# Altium PCB PCB.PcbDoc (part 1 of 3)
Units mm, origin at the board's own origin, x right, y up, seen from the top; angles counter-clockwise.
Board outline 245 x 130 mm, 2 copper layers (Top Layer, Bottom Layer), stack 2.071 mm thick; 280 components, 247 nets, 1185 pads, 381 vias.
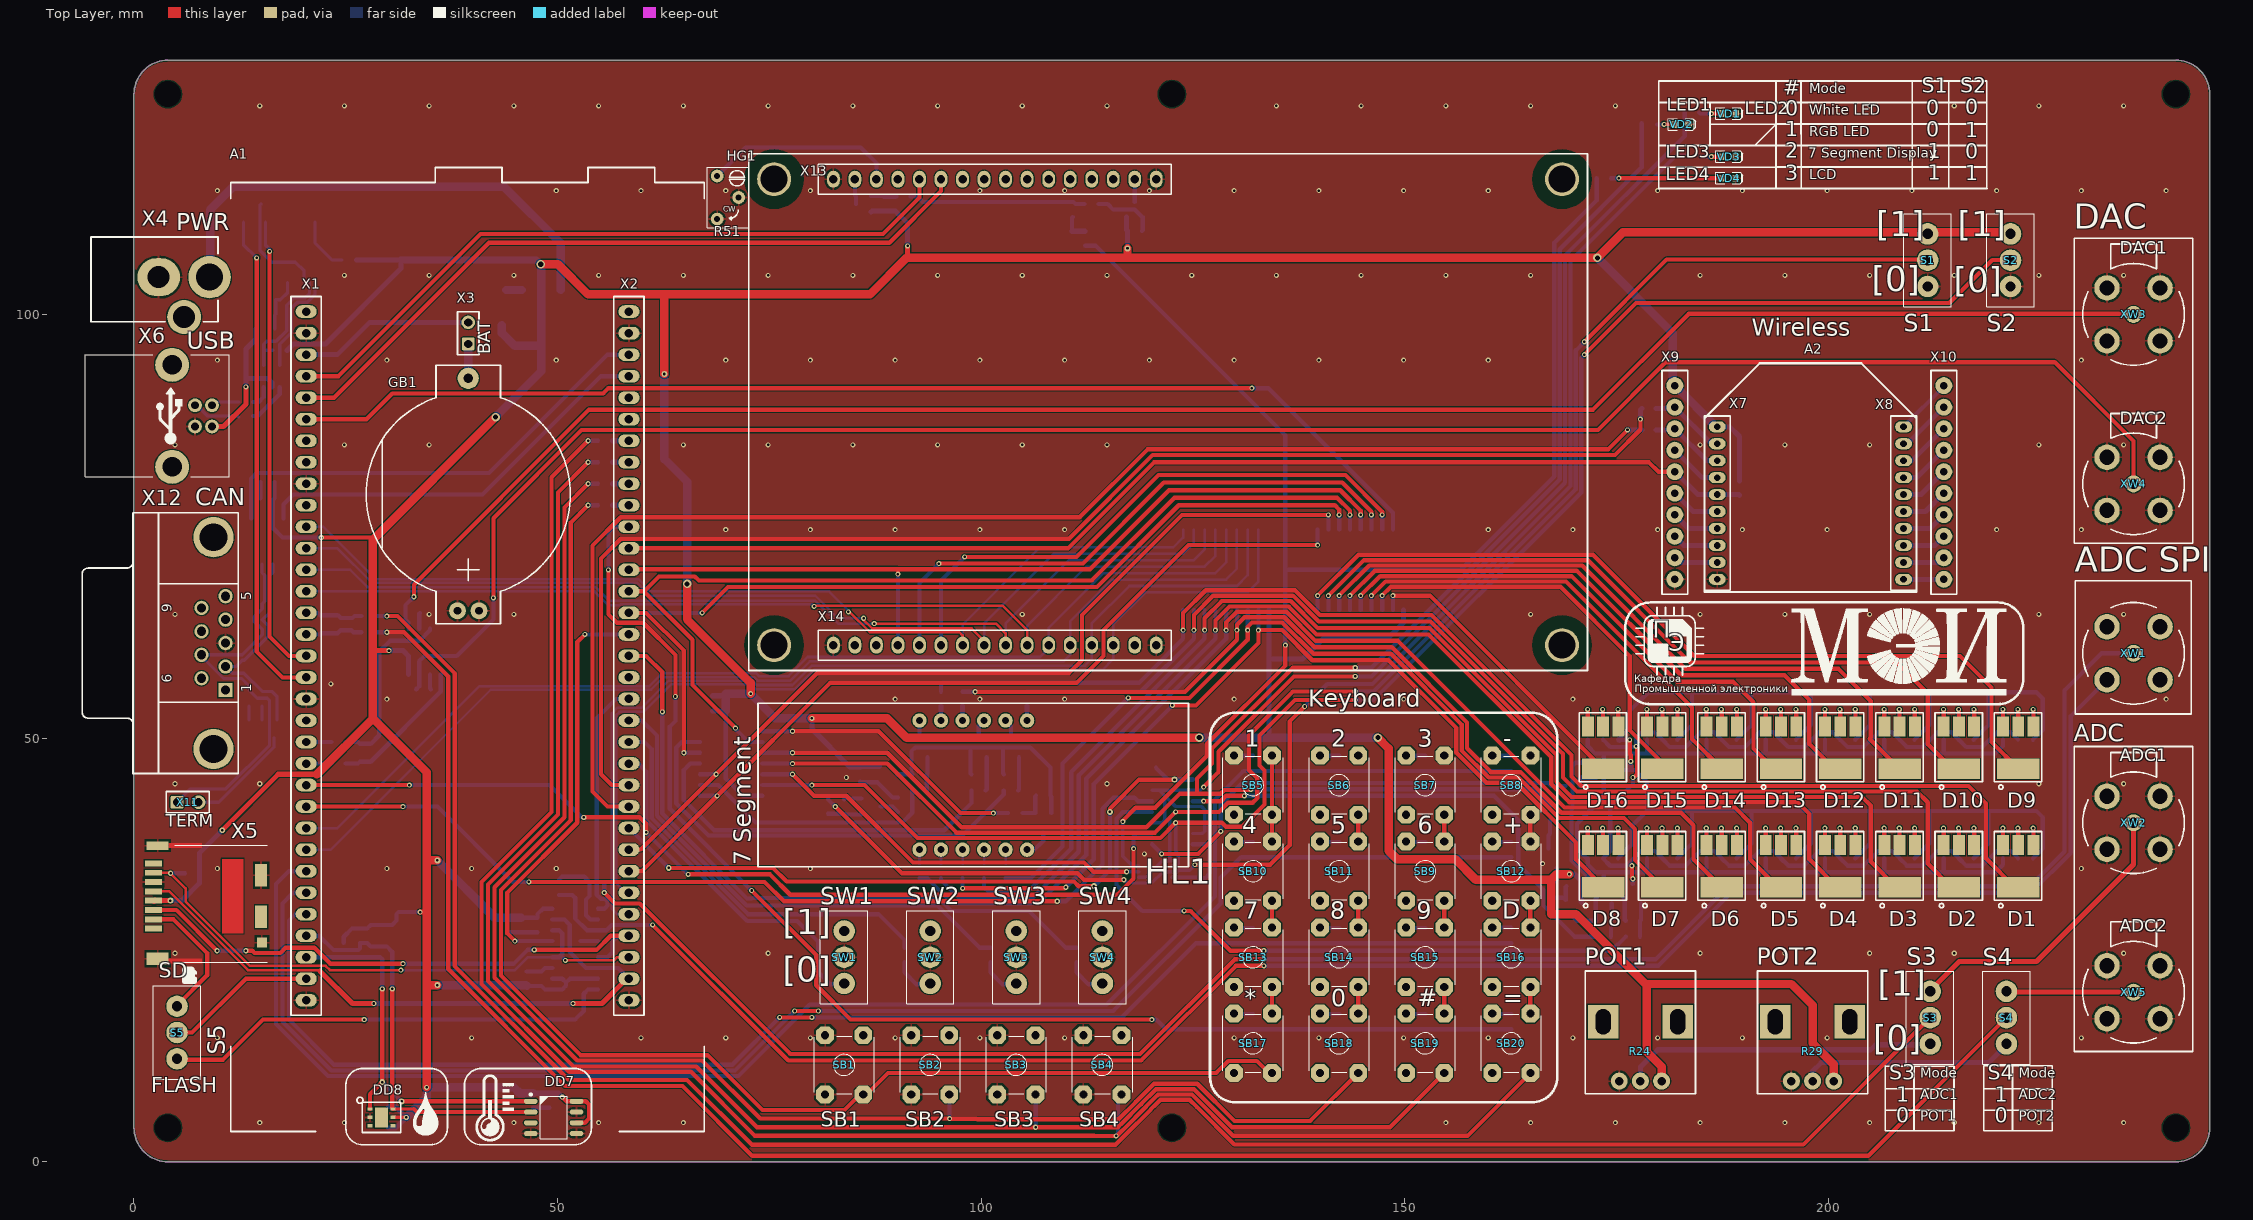
[diagram p0: Top Layer view]
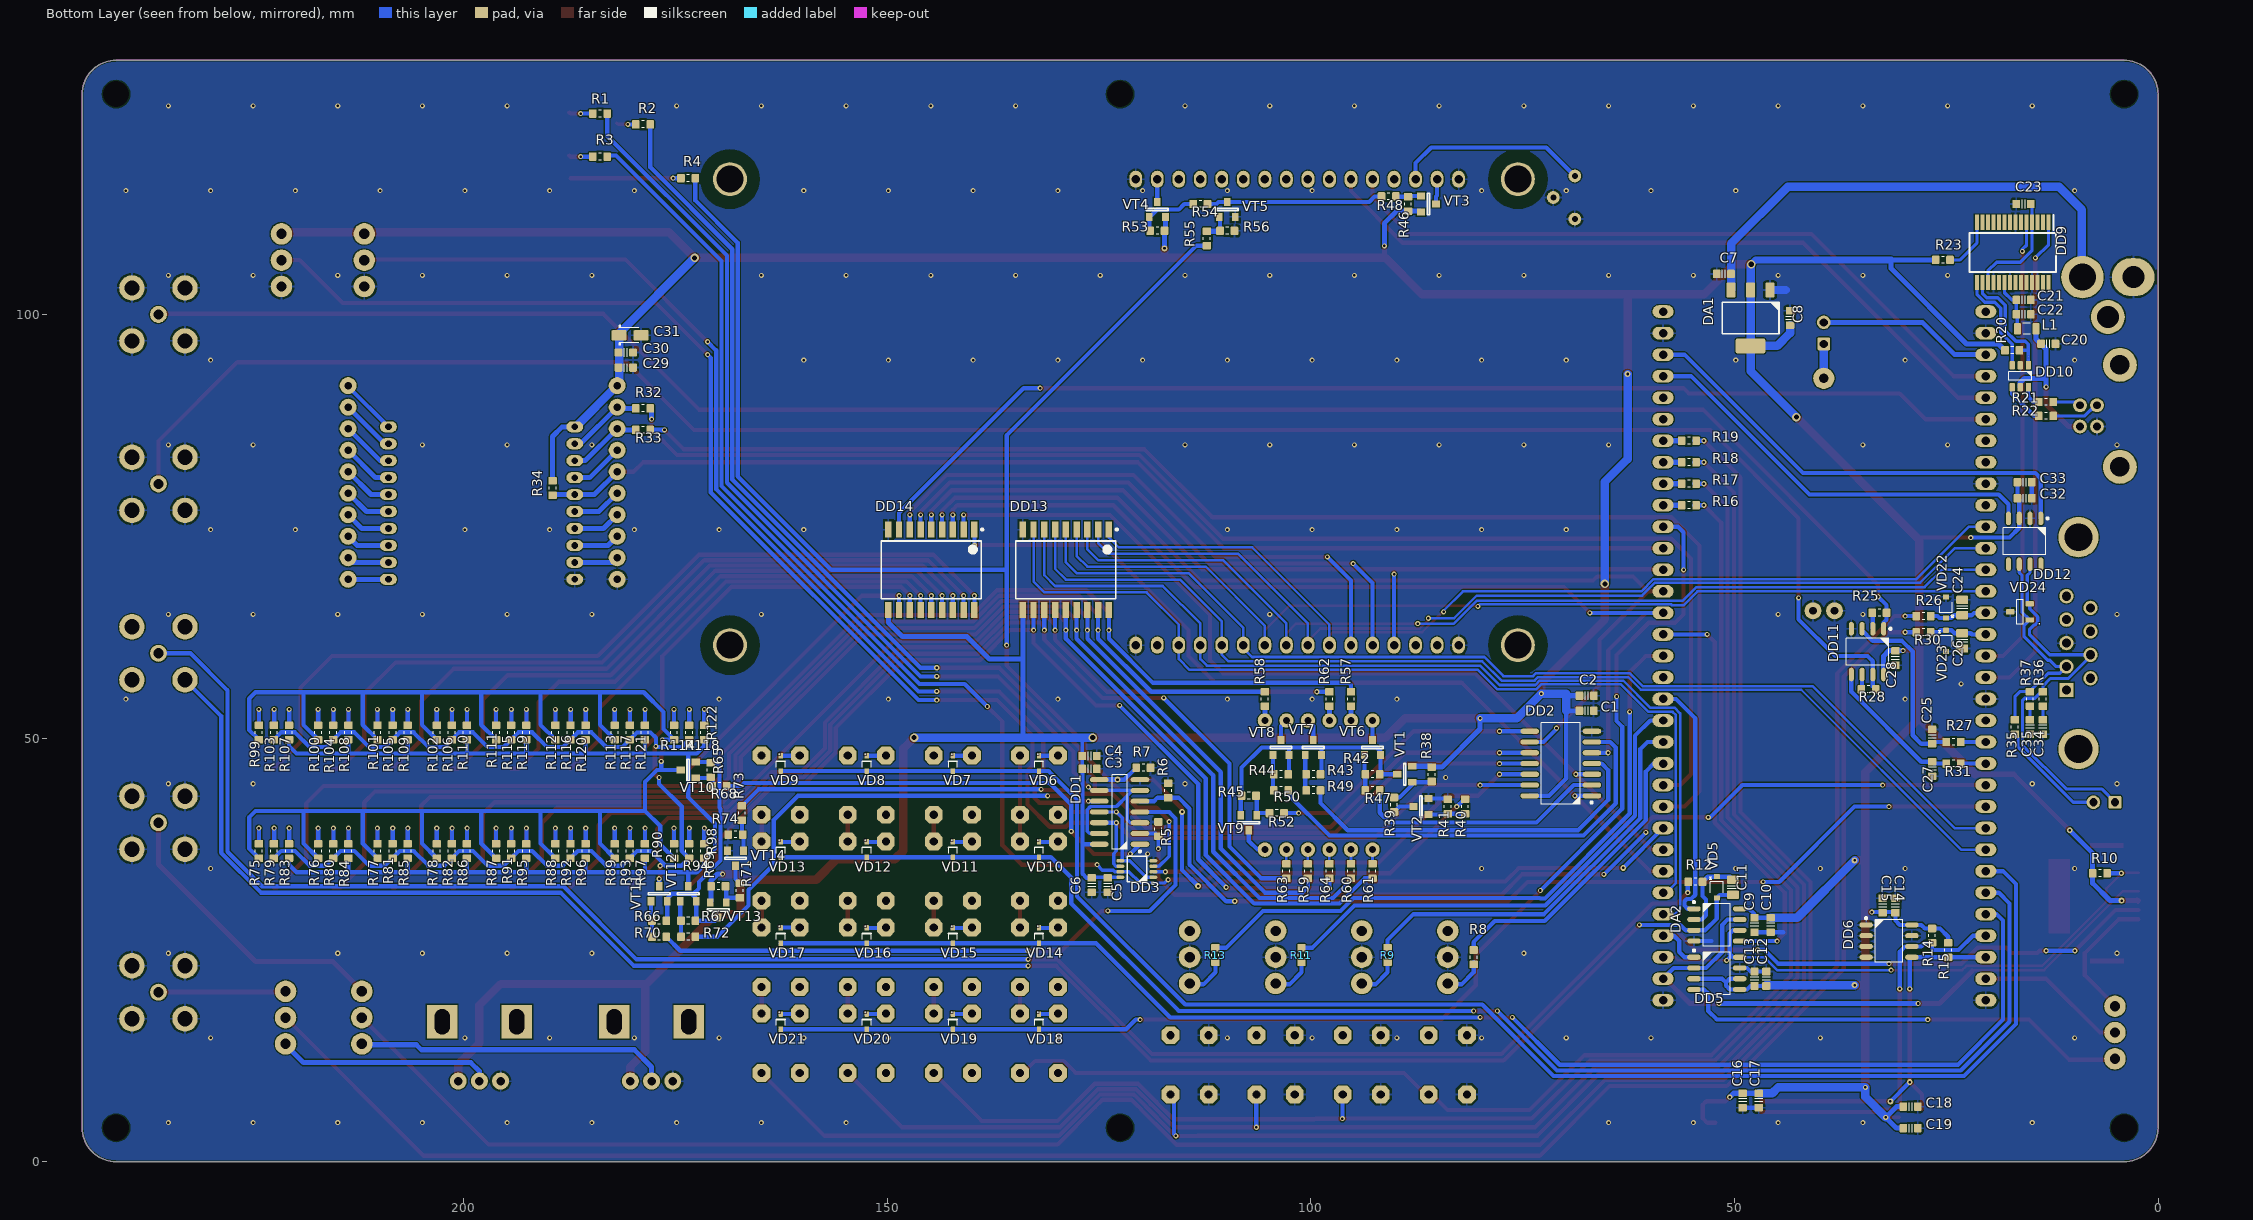
[diagram p1: Bottom Layer view, seen from below]

## Layer stack, top to bottom
Top Solder: solder mask 0.0102, Solder Resist, Dk 3.5
Top Layer: signal copper 0.0356
Dielectric 1: dielectric 2, FR-4, Dk 4.8
Bottom Layer: signal copper 0.0356
Bottom Solder: solder mask 0.0102, Solder Resist, Dk 3.5

## Board outline
0,4 0,126 cw(c4,126) 4,130 241,130 cw(c241,126) 245,126 245,4 cw(c241,4) 241,0 4,0 cw(c4,4)

## Design rules (kind name [scope] priority, off if disabled: settings)
Clearance Clearance_PAD [InPadClass('Pad_mount')] p1: gap=1.5 ignorepadtopadclearanceinfootprint=FALSE
Clearance [All] p2: gap=0.125 ignorepadtopadclearanceinfootprint=FALSE except(0: Arc-Hole Track-Hole SMDPad-Hole THPad-Hole Via-Hole Fill-Hole Poly-Hole Region-Hole Text-Hole)
ComponentClearance Ignore [(ObjectKind = 'Component') And  ((Footprint = 'PBS2-10') Or (Comment = 'PBS-40') Or (Footprint = 'PBS16')) vs (ObjectKind = 'Component') And ((Footprint = 'STM32F072B-DISCO') Or (Footprint = 'XBEE STANDARD') Or (Footprint = 'MT-20S4A'))] p1: gap=0 collisioncheckmode=3 verticalgap=0 showdistances=FALSE
ComponentClearance Clearance_RGB_1mm [Footprint = 'SOP6LED'] p2: gap=1 collisioncheckmode=3 verticalgap=0 showdistances=FALSE
ComponentClearance [All] p3: gap=0.254 collisioncheckmode=3 verticalgap=0.254 showdistances=FALSE
DiffPairsRouting [All] p1: maxlimit=0.254 minlimit=0.254 mostfreqgap=0.254 toplayer_minwidth=0.381 toplayer_maxwidth=0.381 toplayer_prefwidth=0.381 bottomlayer_minwidth=0.381 bottomlayer_maxwidth=0.381 bottomlayer_prefwidth=0.381 maxuncoupledlength=50
Height [All] p1: minheight=0 maxheight=50 prefheight=12.7
HoleSize Mounting [InPadClass('Pad_mount')] p1: absolutevalues=TRUE maxlimit=5 minlimit=0.1 maxpercent=80.000 minpercent=20.000
HoleSize HoleSize_1 [All] p2: absolutevalues=TRUE maxlimit=6 minlimit=0.025 maxpercent=80.000 minpercent=20.000
MatchedLengths CAN [InDifferentialPair('CAN')] p1: tolerance=2 checknetsindiffpair=TRUE checkdiffpairvsdiffpair=FALSE checkxsignals=FALSE checkothers=FALSE
MinimumSolderMaskSliver [All] p1: minsoldermaskwidth=0.15
PlaneClearance [All] p1: clearance=0.1
PolygonConnect [All] p1: thpad.connectstyle=Relief thpad.reliefconductorwidth=0.254 thpad.reliefentries=4 thpad.polygonreliefangle="90 Angle" thpad.airgapwidth=0.25 smdpad.connectstyle=Relief smdpad.reliefconductorwidth=0.254 smdpad.reliefentries=4 smdpad.polygonreliefangle="90 Angle" smdpad.airgapwidth=0.25 via.connectstyle=Direct via.reliefconductorwidth=0.254 via.reliefentries=4 via.polygonreliefangle="90 Angle" via.airgapwidth=0.25
RoutingVias [All] p1: holewidth=0.3 width=0.7 viastyle="Through Hole" minholewidth=0.3 minwidth=0.6 maxholewidth=0.6 maxwidth=1.2
SilkToSolderMaskClearance [IsPad] p1: minsilkscreentomaskgap=0.15 clearancetoexposedcopper=TRUE
SolderMaskExpansion [All] p1: expansion=0.102 istentingtop=FALSE
Width Width_PWR_1mm [InNetClass('POWER')] p1: maxlimit=10 minlimit=0.3 preferedwidth=1 minimp=50.000000 maximp=50.000000 favimp=50.000000
Width Width_1 [All] p2: maxlimit=0.6 minlimit=0.254 preferedwidth=0.254 minimp=50.000000 maximp=50.000000 favimp=50.000000
23 further rules are at their usual default settings.

## Classes and differential pairs
pad class Pad_mount: HG1-PADM X8-10 X8-11
component class Microcontroller: A1 C1 C2 C3 C4 C5 C6 C7 C8 DA1 DD1 DD3 GB1 R1 R2 R3 R4 R5 R6 R7 S1 S2 VD1 VD2 VD3 VD4 X1 X2 X3 X4
component class Communication: A2 C20 C21 C22 C23 C24 C25 C26 C27 C28 C29 C30 C31 C32 C33 C34 C35 DD9 DD10 DD11 DD12 L1 R20 R21 R22 R23 R24 R25 R26 R27 R28 R29 R30 R31 R32 R33 R34 R35 R36 R37 S3 S4 VD22 VD23 VD24 X6 X7 X8 X9 X10 X11 X12 XW2 XW3 XW4 XW5
component class LEDs: D1 D2 D3 D4 D5 D6 D7 D8 D9 D10 D11 D12 D13 D14 D15 D16 DD13 DD14 R65 R66 R67 R68 R69 R70 R71 R72 R73 R74 R75 R76 R77 R78 R79 R80 R81 R82 R83 R84 R85 R86 R87 R88 R89 R90 R91 R92 R93 R94 R95 R96 R97 R98 R99 R100 R101 R102 R103 R104 R105 R106 R107 R108 R109 R110 R111 R112 R113 R114 R115 R116 R117 R118 R119 R120 R121 R122 VT10 VT11 VT12 VT13 VT14
component class Peripherals: C9 C10 C11 C12 C13 C14 C15 C16 C17 C18 C19 DA2 DD5 DD6 DD7 DD8 R8 R9 R10 R11 R12 R13 R14 R15 R16 R17 R18 R19 S5 SB1 SB2 SB3 SB4 SB5 SB6 SB7 SB8 SB9 SB10 SB11 SB12 SB13 SB14 SB15 SB16 SB17 SB18 SB19 SB20 SW1 SW2 SW3 SW4 VD5 VD6 VD7 VD8 VD9 VD10 VD11 VD12 VD13 VD14 VD15 VD16 VD17 VD18 VD19 VD20 VD21 X5 XW1
component class Displays: DD2 HG1 HL1 R38 R39 R40 R41 R42 R43 R44 R45 R46 R47 R48 R49 R50 R51 R52 R53 R54 R55 R56 R57 R58 R59 R60 R61 R62 R63 R64 VT1 VT2 VT3 VT4 VT5 VT6 VT7 VT8 VT9 X13 X14
net class POWER: +3.3V +5V AVCC GND NetGB1_VCC
differential pair CAN: +CAN_P -CAN_N

## Components (designator, comment, footprint, x,y, rotation, side; value= is the part's Value field where it differs from the comment)
A1 "STM32F072B-Disco" STM32F072B-DISCO 39.37,59.69 r0 top
A2 "" "XBEE STANDARD" 197.866,78.232 r0 top locked
C1 "approved sub OK" CAPC1608X90N 67.437,53.213 r180 bottom value=100n
C2 "approved sub OK" CAPC1608X90N 67.437,54.991 r180 bottom value=10µ
C3 "approved sub OK" CAPC1608X90N 126.111,46.355 r180 bottom value=100n
C4 "approved sub OK" CAPC1608X90N 126.111,47.879 r180 bottom value=10µ
C5 "approved sub OK" CAPC1608X90N 123.952,32.639 r270 bottom value=100n
C6 "approved sub OK" CAPC1608X90N 125.857,32.639 r270 bottom value=10µ
C7 "approved sub OK" CAPC1608X90N 51.243,104.775 r0 bottom value=1µ
C8 "approved sub OK" CAPC1608X90N 43.434,99.568 r90 bottom value=1µ
C9 "approved sub OK" CAPC1608X90N 47.625,27.94 r270 bottom value=100n
C10 "approved sub OK" CAPC1608X90N 45.72,27.94 r270 bottom value=10µ
C11 "approved sub OK" CAPC2012X135N 50.165,32.385 r270 bottom value=330n
C12 "approved sub OK" CAPC1608X90N 46.228,21.59 r90 bottom value=100n
C13 "approved sub OK" CAPC1608X90N 47.625,21.59 r90 bottom value=10µ
C14 "approved sub OK" CAPC1608X90N 30.988,30.226 r90 bottom value=100n
C15 "approved sub OK" CAPC1608X90N 32.512,30.226 r90 bottom value=10µ
C16 "approved sub OK" CAPC1608X90N 49.03,7.22 r270 bottom value=100n
C17 "approved sub OK" CAPC1608X90N 47.125,7.22 r270 bottom value=10µ
C18 "approved sub OK" CAPC1608X90N 29.21,6.49 r180 bottom value=100n
C19 "approved sub OK" CAPC1608X90N 29.21,3.95 r180 bottom value=10µ
C20 "approved sub OK" CAPC1608X90N 12.954,96.52 r180 bottom value=10n
C21 "approved sub OK" CAPC1608X90N 15.862,101.706 r180 bottom value=100n
C22 "approved sub OK" CAPC1608X90N 15.862,100.006 r180 bottom value=4µ7
C23 "approved sub OK" CAPC1608X90N 15.875,113.03 r0 bottom value=100n
C24 "approved sub OK" CAPC2012X135N 23.114,65.405 r90 bottom value=330n
C25 "approved sub OK" CAPC1608X90N 26.67,50.165 r90 bottom value=1µ
C26 "approved sub OK" CAPC2012X135N 23.114,61.468 r270 bottom value=330n
C27 "approved sub OK" CAPC1608X90N 26.67,46.355 r270 bottom value=1µ
C28 "approved sub OK" CAPC1608X90N 30.988,59.436 r270 bottom value=100n
C29 "approved sub OK" CAPC1608X90N 180.848,93.726 r180 bottom value=100n
C30 "approved sub OK" CAPC1608X90N 180.848,95.504 r180 bottom value=10µ
C31 "22µ" CAPMP3216X180N 180.34,97.536 r180 bottom
C32 "approved sub OK" CAPC1608X90N 15.74,78.301 r0 bottom value=100n
C33 "approved sub OK" CAPC1608X90N 15.74,80.206 r0 bottom value=10µ
C34 "approved sub OK" CAPC1608X90N 13.589,51.308 r270 bottom value=560p
C35 "approved sub OK" CAPC1608X90N 15.113,51.308 r270 bottom value=560p
D1 "FYLS-5050RGBC" SOP6LED 222.37,34.91 r90 top
D2 "FYLS-5050RGBC" SOP6LED 215.37,34.91 r90 top
D3 "FYLS-5050RGBC" SOP6LED 208.37,34.91 r90 top
D4 "FYLS-5050RGBC" SOP6LED 201.37,34.91 r90 top
D5 "FYLS-5050RGBC" SOP6LED 194.37,34.91 r90 top
D6 "FYLS-5050RGBC" SOP6LED 187.37,34.91 r90 top
D7 "FYLS-5050RGBC" SOP6LED 180.37,34.91 r90 top
D8 "FYLS-5050RGBC" SOP6LED 173.37,34.91 r90 top
D9 "FYLS-5050RGBC" SOP6LED 222.37,48.91 r90 top
D10 "FYLS-5050RGBC" SOP6LED 215.37,48.91 r90 top
D11 "FYLS-5050RGBC" SOP6LED 208.37,48.91 r90 top
D12 "FYLS-5050RGBC" SOP6LED 201.37,48.91 r90 top
D13 "FYLS-5050RGBC" SOP6LED 194.37,48.91 r90 top
D14 "FYLS-5050RGBC" SOP6LED 187.37,48.91 r90 top
D15 "FYLS-5050RGBC" SOP6LED 180.37,48.91 r90 top
D16 "FYLS-5050RGBC" SOP6LED 173.37,48.91 r90 top
DA1 "ADP3339AKCZ-3.3-RL7" SOT223 48.093,99.581 r270 bottom
DA2 "MCP3201-BI/SN" SOIC127P600X175-8AN 52.07,27.94 r180 bottom
DD1 "74LV02D.112" SOIC127P600X175-14AN 122.555,41.275 r0 bottom
DD2 "SN74AHCU04DR" SOIC127P780X200-14N 70.485,46.99 r0 bottom
DD3 "74LVC2G08DP.125" TSSOP65P400X110-8N 120.523,34.544 r0 bottom
DD5 "AT45DB161E-SSHF2B-T" SOIC127P600X175-8AN 52.07,22.225 r180 bottom
DD6 "24LC64-I/SN" SOIC127P600X175-8AN 31.75,26.035 r180 bottom
DD7 "STLM75M2F" SOIC127P600X175-8AN 49.53,5.22 r0 top locked
DD8 "SHT21" DFN-6 29.21,5.22 r0 top locked
DD9 "FT232RL" SOP65P780X200-28N 17.145,107.315 r270 bottom
DD10 "USBLC6-2SC6" SOT23-6 16.256,92.71 r270 bottom
DD11 "LMH6646MA/NOPB" SOIC127P600X175-8AN 34.29,60.198 r270 bottom
DD12 "SN65HVD232D" SOIC127P600X175-8AN 15.74,73.221 r270 bottom
DD13 "ULN2803ADW" SOIC127P600-8N 128.905,69.85 r270 bottom
DD14 "ULN2803ADW" SOIC127P600-8N 144.78,69.85 r270 bottom
GB1 "3V" HU2032-1 39.45,78.74 r90 top locked
HG1 "MT-20S4A-2YLG-3V0" MT-20S4A 82.55,115.96 r0 top
HL1 "CA56-12GWA" CA56-12GWA 99.06,44.45 r0 top locked
L1 "2K2 @ 100 MHz" FBC2012N 15.494,98.298 r0 bottom
R1 "Thick Film" RESC1608X55N 183.896,123.698 r0 bottom value=68R
R2 "Thick Film" RESC1608X55N 178.816,122.428 r0 bottom value=68R
R3 "Thick Film" RESC1608X55N 183.896,118.618 r0 bottom value=68R
R4 "Thick Film" RESC1608X55N 173.482,116.078 r0 bottom value=68R
R5 "Thick Film" RESC1608X55N 117.983,39.243 r270 bottom value=10K
R6 "Thick Film" RESC1608X55N 116.84,43.815 r270 bottom value=10K
R7 "Thick Film" RESC1608X55N 119.761,46.482 r0 bottom value=10K
R8 "RC0603FR-071KL" RESC1608X55N 80.772,24.13 r270 bottom value=1K
R9 "RC0603FR-071KL" RESC1608X55N 90.932,24.384 r270 bottom value=1K
R10 "Thick Film" RESC1608X55N 6.858,34.036 r180 bottom value=10K
R11 "RC0603FR-071KL" RESC1608X55N 101.092,24.384 r270 bottom value=1K
R12 "RC0603FR-071KL" RESC1608X55N 54.61,33.02 r180 bottom value=1K
R13 "RC0603FR-071KL" RESC1608X55N 111.252,24.384 r270 bottom value=1K
R14 "Thick Film" RESC1608X55N 26.67,26.67 r90 bottom value=4K7
R15 "Thick Film" RESC1608X55N 24.765,24.98 r90 bottom value=4K7
R16 "RC0603FR-071KL" RESC1608X55N 55.372,77.47 r180 bottom value=1K
R17 "RC0603FR-071KL" RESC1608X55N 55.372,80.01 r180 bottom value=1K
R18 "RC0603FR-071KL" RESC1608X55N 55.372,82.55 r180 bottom value=1K
R19 "RC0603FR-071KL" RESC1608X55N 55.372,85.09 r180 bottom value=1K
R20 "Thick Film" RESC1608X55N 17.206,95.758 r0 bottom value=4K7
R21 "Thick Film" RESC1608X55N 13.208,89.662 r0 bottom value=22R
R22 "Thick Film" RESC1608X55N 13.208,88.011 r0 bottom value=22R
R23 "Thick Film" RESC1608X55N 25.4,106.426 r0 bottom value=10K
R24 "25 turns" "TRIMPOT ADC" 177.8,16.51 r0 top value=10K
R25 "Thick Film" RESC1608X55N 32.893,64.77 r180 bottom value=100R
R26 "RC0603FR-071KL" RESC1608X55N 27.686,64.389 r180 bottom value=1K
R27 "RC0603FR-071KL" RESC1608X55N 24.13,49.53 r180 bottom value=1K
R28 "Thick Film" RESC1608X55N 34.163,55.753 r180 bottom value=100R
R29 "25 turns" "TRIMPOT ADC" 198.12,16.51 r0 top value=10K
R30 "RC0603FR-071KL" RESC1608X55N 27.686,62.484 r180 bottom value=1K
R31 "RC0603FR-071KL" RESC1608X55N 24.13,46.99 r180 bottom value=1K
R32 "Thick Film" RESC1608X55N 178.816,88.9 r0 bottom value=22R
R33 "Thick Film" RESC1608X55N 178.816,86.36 r0 bottom value=22R
R34 "Thick Film" RESC1608X55N 189.484,79.502 r90 bottom value=10K
R35 "Thick Film" RESC1608X55N 16.891,51.308 r90 bottom value=120R
R36 "Thick Film" RESC1608X55N 13.589,54.61 r90 bottom value=100R
R37 "Thick Film" RESC1608X55N 15.113,54.61 r90 bottom value=100R
R38 "Thick Film" RESC1608X55N 85.725,45.72 r90 bottom value=10K
R39 "Thick Film" RESC1608X55N 90.17,42.125 r90 bottom value=470R
R40 "Thick Film" RESC1608X55N 81.788,41.91 r270 bottom value=470R
R41 "Thick Film" RESC1608X55N 83.82,41.91 r270 bottom value=10K
R42 "Thick Film" RESC1608X55N 92.71,45.72 r180 bottom value=10K
R43 "Thick Film" RESC1608X55N 99.695,45.72 r180 bottom value=10K
R44 "Thick Film" RESC1608X55N 103.505,45.72 r180 bottom value=10K
R45 "Thick Film" RESC1608X55N 107.315,43.18 r0 bottom value=10K
R46 "Thick Film" RESC1608X55N 88.519,113.03 r270 bottom value=10K
R47 "Thick Film" RESC1608X55N 92.71,43.815 r0 bottom value=470R
R48 "Thick Film" RESC1608X55N 90.805,113.919 r180 bottom value=470R
R49 "Thick Film" RESC1608X55N 99.695,43.815 r0 bottom value=470R
R50 "Thick Film" RESC1608X55N 103.505,43.815 r0 bottom value=470R
R51 "25 turns" TRIMPOT_LCD 68.834,116.332 r0 top value=10K
R52 "Thick Film" RESC1608X55N 104.013,41.148 r0 bottom value=470R
R53 "Thick Film" RESC1608X55N 118.11,109.855 r180 bottom value=10K
R54 "Thick Film" RESC1608X55N 113.03,113.03 r0 bottom value=470R
R55 "Thick Film" RESC1608X55N 112.268,108.966 r90 bottom value=470R
R56 "Thick Film" RESC1608X55N 109.855,109.855 r0 bottom value=10K
R57 "Thick Film" RESC1608X55N 95.25,54.61 r270 bottom value=68R
R58 "Thick Film" RESC1608X55N 105.41,54.61 r270 bottom value=68R
R59 "Thick Film" RESC1608X55N 100.33,34.29 r90 bottom value=68R
R60 "Thick Film" RESC1608X55N 95.25,34.29 r90 bottom value=68R
R61 "Thick Film" RESC1608X55N 92.71,34.29 r90 bottom value=68R
R62 "Thick Film" RESC1608X55N 97.79,54.61 r270 bottom value=68R
R63 "Thick Film" RESC1608X55N 102.87,34.29 r90 bottom value=68R
R64 "Thick Film" RESC1608X55N 97.79,34.29 r90 bottom value=68R
R65 "Thick Film" RESC1608X55N 170.815,46.228 r90 bottom value=10K
R66 "Thick Film" RESC1608X55N 176.905,28.438 r180 bottom value=10K
R67 "Thick Film" RESC1608X55N 173.476,28.438 r180 bottom value=10K
R68 "Thick Film" RESC1608X55N 169.799,44.323 r0 bottom value=470R
R69 "Thick Film" RESC1608X55N 169.926,32.512 r0 bottom value=10K
R70 "Thick Film" RESC1608X55N 176.905,26.533 r0 bottom value=470R
R71 "Thick Film" RESC1608X55N 167.386,32.004 r270 bottom value=470R
R72 "Thick Film" RESC1608X55N 173.476,26.533 r0 bottom value=470R
R73 "Thick Film" RESC1608X55N 167.132,41.148 r270 bottom value=470R
R74 "Thick Film" RESC1608X55N 167.894,38.608 r180 bottom value=10K
R75 "Thick Film" RESC1608X55N 224.148,36.66 r270 bottom value=1,2k
R76 "Thick Film" RESC1608X55N 217.148,36.66 r270 bottom value=1,2k
R77 "Thick Film" RESC1608X55N 210.148,36.66 r270 bottom value=1,2k
R78 "Thick Film" RESC1608X55N 203.148,36.66 r270 bottom value=1,2k
R79 "Thick Film" RESC1608X55N 222.37,36.66 r270 bottom value=1,2k
R80 "Thick Film" RESC1608X55N 215.37,36.66 r270 bottom value=1,2k
R81 "Thick Film" RESC1608X55N 208.37,36.66 r270 bottom value=1,2k
R82 "Thick Film" RESC1608X55N 201.37,36.66 r270 bottom value=1,2k
R83 "Thick Film" RESC1608X55N 220.592,36.66 r270 bottom value=1,2k
R84 "Thick Film" RESC1608X55N 213.592,36.66 r270 bottom value=1,2k
R85 "Thick Film" RESC1608X55N 206.592,36.66 r270 bottom value=1,2k
R86 "Thick Film" RESC1608X55N 199.592,36.66 r270 bottom value=1,2k
R87 "Thick Film" RESC1608X55N 196.148,36.66 r270 bottom value=1,2k
R88 "Thick Film" RESC1608X55N 189.148,36.66 r270 bottom value=1,2k
R89 "Thick Film" RESC1608X55N 182.148,36.66 r270 bottom value=1,2k
R90 "Thick Film" RESC1608X55N 175.148,36.66 r270 bottom value=1,2k
R91 "Thick Film" RESC1608X55N 194.37,36.66 r270 bottom value=1,2k
R92 "Thick Film" RESC1608X55N 187.37,36.66 r270 bottom value=1,2k
R93 "Thick Film" RESC1608X55N 180.37,36.66 r270 bottom value=1,2k
R94 "Thick Film" RESC1608X55N 173.37,36.66 r270 bottom value=1,2k
R95 "Thick Film" RESC1608X55N 192.592,36.66 r270 bottom value=1,2k
R96 "Thick Film" RESC1608X55N 185.592,36.66 r270 bottom value=1,2k
R97 "Thick Film" RESC1608X55N 178.592,36.66 r270 bottom value=1,2k
R98 "Thick Film" RESC1608X55N 171.592,36.66 r270 bottom value=1,2k
R99 "Thick Film" RESC1608X55N 224.148,50.66 r270 bottom value=1,2k
R100 "Thick Film" RESC1608X55N 217.148,50.66 r270 bottom value=1,2k
R101 "Thick Film" RESC1608X55N 210.148,50.66 r270 bottom value=1,2k
R102 "Thick Film" RESC1608X55N 203.148,50.66 r270 bottom value=1,2k
R103 "Thick Film" RESC1608X55N 222.37,50.66 r270 bottom value=1,2k
R104 "Thick Film" RESC1608X55N 215.37,50.66 r270 bottom value=1,2k
R105 "Thick Film" RESC1608X55N 208.37,50.66 r270 bottom value=1,2k
R106 "Thick Film" RESC1608X55N 201.37,50.66 r270 bottom value=1,2k
R107 "Thick Film" RESC1608X55N 220.592,50.66 r270 bottom value=1,2k
R108 "Thick Film" RESC1608X55N 213.592,50.66 r270 bottom value=1,2k
R109 "Thick Film" RESC1608X55N 206.592,50.66 r270 bottom value=1,2k
R110 "Thick Film" RESC1608X55N 199.592,50.66 r270 bottom value=1,2k
R111 "Thick Film" RESC1608X55N 196.148,50.66 r270 bottom value=1,2k
R112 "Thick Film" RESC1608X55N 189.148,50.66 r270 bottom value=1,2k
R113 "Thick Film" RESC1608X55N 182.148,50.66 r270 bottom value=1,2k
R114 "Thick Film" RESC1608X55N 175.148,50.66 r270 bottom value=1,2k
R115 "Thick Film" RESC1608X55N 194.37,50.66 r270 bottom value=1,2k
R116 "Thick Film" RESC1608X55N 187.37,50.66 r270 bottom value=1,2k
R117 "Thick Film" RESC1608X55N 180.37,50.66 r270 bottom value=1,2k
R118 "Thick Film" RESC1608X55N 173.37,50.66 r270 bottom value=1,2k
R119 "Thick Film" RESC1608X55N 192.592,50.66 r270 bottom value=1,2k
R120 "Thick Film" RESC1608X55N 185.592,50.66 r270 bottom value=1,2k
R121 "Thick Film" RESC1608X55N 178.592,50.66 r270 bottom value=1,2k
R122 "Thick Film" RESC1608X55N 171.592,50.66 r270 bottom value=1,2k
S1 "ON-ON" SWITCH_SPDT_SLIDER 211.709,106.401 r90 top
S2 "ON-ON" SWITCH_SPDT_SLIDER 221.488,106.401 r90 top
S3 "ON-ON" SWITCH_SPDT_SLIDER 212,17 r270 top locked
S4 "ON-ON" SWITCH_SPDT_SLIDER 221,17 r270 top locked
S5 "ON-ON" SWITCH_SPDT_SLIDER 5.08,15.24 r90 top
SB1 "SW_THT_PB_4.3mm" TACT-SWITCH-3-1825910-5 83.82,11.43 r90 top locked
SB2 "SW_THT_PB_4.3mm" TACT-SWITCH-3-1825910-5 93.98,11.43 r90 top locked
SB3 "SW_THT_PB_4.3mm" TACT-SWITCH-3-1825910-5 104.14,11.43 r90 top locked
SB4 "SW_THT_PB_4.3mm" TACT-SWITCH-3-1825910-5 114.3,11.43 r90 top locked
SB5 "SW_THT_PB_4.3mm" TACT-SWITCH-3-1825910-5 132.08,44.45 r90 top locked
SB6 "SW_THT_PB_4.3mm" TACT-SWITCH-3-1825910-5 142.24,44.45 r90 top locked
SB7 "SW_THT_PB_4.3mm" TACT-SWITCH-3-1825910-5 152.4,44.45 r90 top locked
SB8 "SW_THT_PB_4.3mm" TACT-SWITCH-3-1825910-5 162.56,44.45 r90 top locked
SB9 "SW_THT_PB_4.3mm" TACT-SWITCH-3-1825910-5 152.4,34.29 r90 top locked
SB10 "SW_THT_PB_4.3mm" TACT-SWITCH-3-1825910-5 132.08,34.29 r90 top locked
SB11 "SW_THT_PB_4.3mm" TACT-SWITCH-3-1825910-5 142.24,34.29 r90 top locked
SB12 "SW_THT_PB_4.3mm" TACT-SWITCH-3-1825910-5 162.56,34.29 r90 top locked
SB13 "SW_THT_PB_4.3mm" TACT-SWITCH-3-1825910-5 132.08,24.13 r90 top locked
SB14 "SW_THT_PB_4.3mm" TACT-SWITCH-3-1825910-5 142.24,24.13 r90 top locked
SB15 "SW_THT_PB_4.3mm" TACT-SWITCH-3-1825910-5 152.4,24.13 r90 top locked
SB16 "SW_THT_PB_4.3mm" TACT-SWITCH-3-1825910-5 162.56,24.13 r90 top locked
SB17 "SW_THT_PB_4.3mm" TACT-SWITCH-3-1825910-5 132.08,13.97 r90 top locked
SB18 "SW_THT_PB_4.3mm" TACT-SWITCH-3-1825910-5 142.24,13.97 r90 top locked
SB19 "SW_THT_PB_4.3mm" TACT-SWITCH-3-1825910-5 152.4,13.97 r90 top locked
SB20 "SW_THT_PB_4.3mm" TACT-SWITCH-3-1825910-5 162.56,13.97 r90 top locked
SW1 "ON-ON" SWITCH_SPDT_SLIDER 83.82,24.13 r90 top locked
SW2 "ON-ON" SWITCH_SPDT_SLIDER 93.98,24.13 r90 top locked
SW3 "ON-ON" SWITCH_SPDT_SLIDER 104.14,24.13 r90 top locked
SW4 "ON-ON" SWITCH_SPDT_SLIDER 114.3,24.13 r90 top locked
VD1 "FYLS-0603URC" LED-0603-GREEN 188.214,123.698 r0 top
VD2 "FYLS-0603URC" LED-0603-GREEN 182.626,122.428 r0 top
VD3 "FYLS-0603URC" LED-0603-GREEN 188.214,118.618 r0 top
VD4 "FYLS-0603URC" LED-0603-GREEN 188.214,116.078 r0 top
VD5 "4V" SOD323 52.07,32.385 r270 bottom
VD6 "1N4148" SOD523F 132.08,47.001 r270 bottom
VD7 "1N4148" SOD523F 142.24,47.001 r270 bottom
VD8 "1N4148" SOD523F 152.4,47.001 r270 bottom
VD9 "1N4148" SOD523F 162.56,47.001 r270 bottom
VD10 "1N4148" SOD523F 132.08,36.841 r270 bottom
VD11 "1N4148" SOD523F 142.24,36.841 r270 bottom
VD12 "1N4148" SOD523F 152.4,36.841 r270 bottom
VD13 "1N4148" SOD523F 162.56,36.841 r270 bottom
VD14 "1N4148" SOD523F 132.08,26.681 r270 bottom
VD15 "1N4148" SOD523F 142.24,26.681 r270 bottom
VD16 "1N4148" SOD523F 152.4,26.681 r270 bottom
VD17 "1N4148" SOD523F 162.56,26.681 r270 bottom
VD18 "1N4148" SOD523F 132.08,16.521 r270 bottom
VD19 "1N4148" SOD523F 142.24,16.521 r270 bottom
VD20 "1N4148" SOD523F 152.4,16.521 r270 bottom
VD21 "1N4148" SOD523F 162.56,16.521 r270 bottom
VD22 "4V" SOD323 25.019,65.405 r90 bottom
VD23 "4V" SOD323 25.019,61.468 r270 bottom
VD24 "SM24CANA" SOT23-3 16.3,64.9 r0 bottom
VT1 "IRLML2244" SOT23-3-NO_CHECK 88.9,45.72 r0 bottom
VT2 "IRLML6244" SOT23-3-NO_CHECK 86.995,41.91 r0 bottom
VT3 "IRLML2244" SOT23-3-NO_CHECK 86.106,113.03 r180 bottom
VT4 "IRLML2244" SOT23-3-NO_CHECK 118.11,112.395 r90 bottom
VT5 "IRLML6244" SOT23-3-NO_CHECK 109.855,112.395 r90 bottom
VT6 "IRLML2244" SOT23-3-NO_CHECK 92.71,48.895 r90 bottom
VT7 "IRLML2244" SOT23-3-NO_CHECK 99.695,48.895 r90 bottom
VT8 "IRLML2244" SOT23-3-NO_CHECK 103.505,48.895 r90 bottom
VT9 "IRLML2244" SOT23-3-NO_CHECK 107.315,40.005 r270 bottom
VT10 "IRLML2244" SOT23-3-NO_CHECK 173.482,46.228 r0 bottom
VT11 "IRLML2244" SOT23-3-NO_CHECK 176.905,31.613 r90 bottom
VT12 "IRLML2244" SOT23-3-NO_CHECK 173.476,31.613 r90 bottom
VT13 "IRLML2244" SOT23-3-NO_CHECK 169.926,29.718 r270 bottom
VT14 "IRLML6244" SOT23-3-NO_CHECK 167.894,35.814 r270 bottom
X1 "PBS-40" PBS33 20.32,100.33 r0 top locked
X2 "PBS-40" PBS33 58.42,100.33 r0 top locked
X3 "PLS-2" HDR_1X2 39.45,97.79 r180 top locked
X4 "PJ-002A" CONN_PWR_JACK_2.1X5.5MM 2.921,104.394 r90 top
X5 "DM3CS-SF" DM3CS-SF 2.3,27.5 r270 top locked
X6 "USB-B" USB_TYPEB_TYCO -5.78,88.02 r0 top locked
X7 "PBS2-10" PBS2-10 186.866,86.732 r0 top
X8 "PBS2-10" PBS2-10 208.866,86.732 r0 top
X9 "PBS10" XBCON 181.866,80.162 r0 top
X10 "PBS10" XBCON 213.616,80.162 r0 top
X11 "PLS-2" HDR_1X2 6.35,42.418 r90 top locked
X12 "DRB-9FA" DB9 -0.11,61.205 r90 top
X13 "PBS-16R" PBS16 82.55,115.96 r90 top locked
X14 "PBS-16R" PBS16 82.55,60.96 r90 top locked
XW1 "BNC Fem. 50R" BNC 236,60 r0 top locked
XW2 "BNC Fem. 50R" BNC 236,40 r0 top locked
XW3 "BNC Fem. 50R" BNC 236,100 r0 top locked
XW4 "BNC Fem. 50R" BNC 236,80 r0 top locked
XW5 "BNC Fem. 50R" BNC 236,20 r0 top locked

## Footprints (in the part's own frame and the unit in brackets; to place one, negate y for a bottom-side part, rotate by r counter-clockwise, add the part's x,y. Pads: shape width x height; smd on the part's side, far side on the other; paste and mask are expansions set on the pad)
BNC [mm]
  round 3 hole 1.8: Case(-3.13,-3.13) Case(-3.13,3.13) Case(3.13,-3.13) Case(3.13,3.13)
  round 2 hole 1.2: Sig(0,0)
  silkscreen extent -6,-6 6,6, body extent -5.68,-5.68 5.68,5.68, height 21
CA56-12GWA [mm] "4 digit 7 segment indicator"
  round 1.7 hole 0.8: 1(-6.35,-7.62) 2(-3.81,-7.62) 3(-1.27,-7.62) 4(1.27,-7.62) 5(3.81,-7.62) 6(6.35,-7.62) 7(6.35,7.62) 8(3.81,7.62) 9(1.27,7.62) 10(-1.27,7.62) 11(-3.81,7.62) 12(-6.35,7.62)
  silkscreen extent -25.4,-9.65 25.4,9.65, body extent -25.15,-9.5 25.15,9.5, height 8
CAPC1608X90N [mm] "Chip Capacitor, Body 1.6x0.8mm, EIA 0603, IPC Medium Density"
  round 0.254 on Mech15: 0(0,0)
  rrect25% 0.9x1 smd: 1(-0.85,0) 2(0.85,0)
  Top Layer pour cut-out: -0.6,0.5 -0.4,0.7 0.4,0.7 0.6,0.5 0.6,-0.5 0.4,-0.7 -0.4,-0.7 -0.6,-0.5
  silkscreen extent -0.18,-0.48 0.18,0.48, body extent -0.85,-0.45 0.85,0.45, height 0.89
CAPC2012X135N [mm] "Chip Capacitor, Body 2.0x1.2mm, EIA 0805, IPC Medium Density"
  round 0.254 on Mech15: 0(0,0)
  rrect25% 1x1.4 smd: 1(-0.9,0) 2(0.9,0)
  Top Layer pour cut-out: -0.675,0.7 -0.475,0.9 0.475,0.9 0.675,0.7 0.675,-0.7 0.475,-0.9 -0.475,-0.9 -0.675,-0.7
  silkscreen extent -0.15,-0.65 0.15,0.65, body extent -1.1,-0.72 1.1,0.73, height 1.34
CAPMP3216X180N [mm] "Capacitor, polarized, Molded Body, EIA 535BAAC size A; 3.20mm L X 1.60mm W X 1.80mm H"
  round 0.508 on Mech15: 0(0,0)
  rrect25% 1.8x1.2 smd: 1(-1.3,0) 2(1.3,0)
  silkscreen extent -1.3,-1.2 1,1.2, body extent -1.6,-0.8 1.6,0.8, height 1.8
CONN_PWR_JACK_2.1X5.5MM [mm] "Power Connector, 2.1mm ID, 5.5mm OD"
  round 5 hole 3.2: 1(0,-6)
  oval 4.5x5 hole 2.6: 2(0,0)
  round 4 hole 2.6: 3(-4.7,-3)
  silkscreen extent -5.25,-7 4.75,8, body extent -4.9,-6.7 4.5,7.7, height 11.05
DB9 [mm] "DSUB-9"
  rect 1.69x1.69 hole 1.09: 1(-5.54,-10.92)
  round 1.69 hole 1.09: 2(-2.77,-10.92) 3(0,-10.92) 4(2.77,-10.92) 5(5.54,-10.92) 6(-4.155,-8.08) 7(-1.385,-8.08) 8(1.385,-8.08) 9(4.155,-8.08)
  round 4.76 hole 3.26: 10(-12.495,-9.5) 11(12.495,-9.5)
  silkscreen extent -15.4,-12.4 15.4,6, body extent -15.4,-12.5 15.4,5.8, height 12.67
DFN-6 [mm]
  rect 0.6x0.4 smd: 1(-1.346,0.991) 2(-1.346,0) 3(-1.346,-0.965) 4(1.346,-0.965) 5(1.346,0) 6(1.346,0.991)
  rect 1.5x2.4 smd mask+0.2: ""(0,0)
  silkscreen extent -2.9,-1.78 2.29,2.39, body extent -1.51,-1.52 1.51,1.48, height 1.2
DM3CS-SF [mm]
  rect 0.7x2 smd: 1(0,0) 2(-1.1,0) 3(-2.2,0) 4(-3.3,0) 5(-4.4,0) 6(-5.5,0) 7(-6.6,0) 8(-7.7,0)
  rect 1x2.6 smd: 9(-9.8,0.5)
  rect 1.5x2.6 smd: 10(3.55,0.5)
  rect 1.2x1.2 smd: 11(1.65,12.8)
  rect 2.7x1.4 smd: 12(-1.4,12.7) 13(-6.3,12.7)
  Top Layer region: -8.25,8.099 0.55,8.099 0.55,10.599 -8.25,10.599
  Top Layer region: -10.1,1.8 -9.5,1.8 -9.5,5.7 -10.1,5.7
  Top Layer region: 3.5,1.7 4.1,1.7 4.1,5.7 3.5,5.7
  silkscreen extent -9.87,2.48 3.96,13.44, body extent -9.9,-0.6 3.9,13.5, height 1.98
FBC2012N [mm] "Ferrite Bead Chip, Body 2.0x1.2mm, 0805, IPC Medium Density"
  round 0.508 on Mech15: 0(0,0)
  rrect25% 0.8x1.35 smd: 1(-1.1,0) 2(1.1,0)
  silkscreen extent -0.43,-0.64 0.46,0.64, body extent -1,-0.62 1,0.63, height 0.9
HDR_1X2 [mil]
  rrect25% 60x60 hole 38: 1(0,50)
  round 62.99 hole 38: 2(0,-50)
  silkscreen extent -50,-100 50,100, body extent -50,-100 50,100, height 336
HU2032-1 [mm] "Battery holder 2032"
  round 2 hole 0.9: GND(-13.716,-1.27) GND(-13.716,1.27)
  round 2.5 hole 1.1: VCC(13.716,0)
  silkscreen extent -15.24,-12.05 15.24,12.05, body extent -14.5,-10 14.5,10, height 5.3
LED-0603-GREEN [mm]
  round 0.254 on Mech15: 0(0,0)
  rrect25% 0.8x0.8 smd: A(-0.85,0) K(0.85,0)
  Top Layer pour cut-out: -0.5,0.5 0.5,0.5 0.5,-0.5 -0.5,-0.5
  silkscreen extent -1.55,-0.67 1.68,0.67, body extent -0.8,-0.4 0.8,0.4, height 0.75
MT-20S4A [mm] "Socket for LCD"
  oval 1.5x2 hole 1: 1(0,-55) 1(0,0) 2(2.54,-55) 2(2.54,0) 3(5.08,-55) 3(5.08,0) 4(7.62,-55) 4(7.62,0) 5(10.16,-55) 5(10.16,0) 6(12.7,-55) 6(12.7,0) 7(15.24,-55) 7(15.24,0) 8(17.78,-55) 8(17.78,0) 9(20.32,-55) 9(20.32,0) 10(22.86,-55) 10(22.86,0) 11(25.4,-55) 11(25.4,0) 12(27.94,-55) 12(27.94,0) 13(30.48,-55) 13(30.48,0) 14(33.02,-55) 14(33.02,0) 15(35.56,-55) 15(35.56,0) 16(38.1,-55) 16(38.1,0)
  round 4 hole 3.2: PADM(-7,-55) PADM(-7,0) PADM(86,-55) PADM(86,0)
  silkscreen extent -10,-58 89,3, body extent -9.5,-57.89 88.67,2.89, height 22.55
PBS2-10 [mm] "Empty footprint for complex slots"
  silkscreen extent -1.52,-19.3 1.52,1.27
PBS16 [mm] "Empty footprint for complex slots"
  silkscreen extent -1.78,-39.88 1.78,1.78
PBS33 [mm] "Empty footprint for complex slots"
  silkscreen extent -1.78,-83.06 1.78,1.78
RESC1608X55N [mm] "Chip Resistor, Body 1.6x0.8mm, EIA 0603, IPC Medium Density"
  round 0.254 on Mech15: 0(0,0)
  rrect25% 0.9x1 smd: 1(-0.85,0) 2(0.85,0)
  Top Layer pour cut-out: -0.6,0.5 -0.4,0.7 0.4,0.7 0.6,0.5 0.6,-0.5 0.4,-0.7 -0.4,-0.7 -0.6,-0.5
  silkscreen extent -0.15,-0.41 0.15,0.41, body extent -0.87,-0.47 0.88,0.48, height 0.54
SOD323 [mm] "SOD-323; 2 Leads; Body 1.8 x 1.35 mm, (LxW)"
  round 0.508 on Mech15: 0(0,0)
  rrect25% 0.6x0.7 smd: A(1.25,0) K(-1.25,0)
  silkscreen extent -1.2,-0.9 0.64,0.75, body extent -1.3,-0.68 1.3,0.67, height 1.1
SOD523F [mm] "SOD-523F; 2 Leads; Body 1.3 x 0.9 mm, (LxW)"
  round 0.508 on Mech15: 0(0,0)
  rrect20% 0.65x0.5 smd: A(0.9,0) K(-0.9,0)
  Top Layer pour cut-out: -0.725,-0.25 -0.725,0.25 -0.525,0.45 0.525,0.45 0.725,0.25 0.725,-0.25 0.525,-0.45 -0.525,-0.45
  silkscreen extent -0.25,-0.51 0.45,0.51, body extent -0.85,-0.45 0.85,0.45, height 0.7
SOIC127P600-8N [mm] "SO-18"
  rect 1.9x0.75 smd: 1(-4.75,5.08) 2(-4.75,3.81) 3(-4.75,2.54) 4(-4.75,1.27) 5(-4.75,0) 6(-4.75,-1.27) 7(-4.75,-2.54) 8(-4.75,-3.81) 9(-4.75,-5.08) 10(4.75,-5.08) 11(4.75,-3.81) 12(4.75,-2.54) 13(4.75,-1.27) 14(4.75,0) 15(4.75,1.27) 16(4.75,2.54) 17(4.75,3.81) 18(4.75,5.08)
  silkscreen extent -4.87,-5.9 3.4,6.13, body extent -5.15,-5.9 5.15,5.9, height 2.65
SOIC127P600X175-8AN [mm] "SOIC, 8-Leads, Body 4.9x3.9mm, Pitch 1.27mm, IPC Medium Density"
  round 1 on Mech15: 0(0,0)
  oval 1.6x0.6 smd: 1(-2.7,1.905) 2(-2.7,0.635) 3(-2.7,-0.635) 4(-2.7,-1.905) 5(2.7,-1.905) 6(2.7,-0.635) 7(2.7,0.635) 8(2.7,1.905)
  silkscreen extent -2.83,-2.5 1.6,2.82, body extent -3,-2.45 3,2.45, height 1.75
SOIC127P600X175-14AN [mm] "SOIC, 1.27mm pitch, 14 pin, Body 8.65x3.90mm"
  round 1 on Mech15: 0(0,0)
  oval 2.2x0.6 smd: 1(-2.4,3.81) 2(-2.4,2.54) 3(-2.4,1.27) 4(-2.4,0) 5(-2.4,-1.27) 6(-2.4,-2.54) 7(-2.4,-3.81) 8(2.4,-3.81) 9(2.4,-2.54) 10(2.4,-1.27) 11(2.4,0) 12(2.4,1.27) 13(2.4,2.54) 14(2.4,3.81)
  silkscreen extent -2.52,-4.4 0.9,4.78, body extent -3.01,-4.32 3.01,4.33, height 1.75
SOIC127P780X200-14N [mm] "SOIC, 14 Leads, Body 10.5x5.3mm, Pitch 1.27mm, IPC Medium Density"
  round 1 on Mech15: 0(0,0)
  oval 2.2x0.6 smd: 1(-3.67,3.81) 2(-3.67,2.54) 3(-3.67,1.27) 4(-3.67,0) 5(-3.67,-1.27) 6(-3.67,-2.54) 7(-3.67,-3.81) 8(3.67,-3.81) 9(3.67,-2.54) 10(3.67,-1.27) 11(3.67,0) 12(3.67,1.27) 13(3.67,2.54) 14(3.67,3.81)
  silkscreen extent -3.75,-4.83 2.29,4.83, body extent -3.9,-5.25 3.9,5.25, height 2
SOP6LED [mm]
  rect 2.4x1.4 smd: AB(2.46,1.778) AG(2.46,-0.022) AR(2.46,-1.822)
  rect 2.4x5 smd: K(-2.54,-0.022)
  silkscreen extent -4.95,-2.79 4.06,2.79, body extent -2.77,-2.55 2.77,2.55, height 1.6
SOP65P780X200-28N [mm]
  rect 1.8x0.45 smd: 1(-3.55,4.225) 2(-3.55,3.575) 3(-3.55,2.925) 4(-3.55,2.275) 5(-3.55,1.625) 6(-3.55,0.975) 7(-3.55,0.325) 8(-3.55,-0.325) 9(-3.55,-0.975) 10(-3.55,-1.625) 11(-3.55,-2.275) 12(-3.55,-2.925) 13(-3.55,-3.575) 14(-3.55,-4.225) 15(3.55,-4.225) 16(3.55,-3.575) 17(3.55,-2.925) 18(3.55,-2.275) 19(3.55,-1.625) 20(3.55,-0.975) 21(3.55,-0.325) 22(3.55,0.325) 23(3.55,0.975) 24(3.55,1.625) 25(3.55,2.275) 26(3.55,2.925) 27(3.55,3.575) 28(3.55,4.225)
  silkscreen extent -4.45,-5.1 2.3,5.1, body extent -3.9,-5.1 3.9,5.1, height 2
SOT23-3 [mm] "SOT23, 3 pin"
  round 0.5 on Mech15: 0(0,0)
  rrect25% 1x0.6 smd: 1(-1.15,0.95) 2(-1.15,-0.95) 3(1.15,0)
  silkscreen extent -0.38,-1.45 0.38,1.45, body extent -1.4,-1.45 1.4,1.45, height 1.29
SOT23-3-NO_CHECK [mm] "SOT23, 3 pin"
  rect 0.972x0.802 smd: 1(-0.885,0.95) 2(-0.885,-0.95) 3(0.885,0)
  silkscreen extent -0.13,-1.27 0.13,1.27, body extent -1.4,-1.45 1.4,1.45, height 1.29
SOT23-6 [mm]
  round 0.5 on Mech15 mask+0: 0(0,0)
  rrect25% 1x0.6 smd mask+0: 1(-1.3,0.95) 2(-1.3,0) 3(-1.3,-0.95) 4(1.3,-0.95) 5(1.3,0) 6(1.3,0.95)
  silkscreen extent -0.51,-1.35 0.51,1.35, body extent -1.4,-1.45 1.4,1.45, height 1.44
SOT223 [mm] "SOT223 /SC-73"
  round 1 on Mech15: 0(0,0)
  rrect25% 1.75x1.1 smd: 1(-3.3,2.3) 2(-3.3,0) 3(-3.3,-2.3)
  rrect25% 1.75x3.5 smd: 2(3.3,0)
  silkscreen extent -1.85,-3.35 1.85,3.35, body extent -3.65,-3.35 3.65,3.35, height 1.8
STM32F072B-DISCO [mm] "Socket for development board"
  oval 2.5x1.5 hole 1: P1_1(-19.05,40.64) P1_2(-19.05,38.1) P1_3(-19.05,35.56) P1_4(-19.05,33.02) P1_5(-19.05,30.48) P1_6(-19.05,27.94) P1_7(-19.05,25.4) P1_8(-19.05,22.86) P1_9(-19.05,20.32) P1_10(-19.05,17.78) P1_11(-19.05,15.24) P1_12(-19.05,12.7) P1_13(-19.05,10.16) P1_14(-19.05,7.62) P1_15(-19.05,5.08) P1_16(-19.05,2.54) P1_17(-19.05,0) P1_18(-19.05,-2.54) P1_19(-19.05,-5.08) P1_20(-19.05,-7.62) P1_21(-19.05,-10.16) P1_22(-19.05,-12.7) P1_23(-19.05,-15.24) P1_24(-19.05,-17.78) P1_25(-19.05,-20.32) P1_26(-19.05,-22.86) P1_27(-19.05,-25.4) P1_28(-19.05,-27.94) P1_29(-19.05,-30.48) P1_30(-19.05,-33.02) P1_31(-19.05,-35.56) P1_32(-19.05,-38.1) P1_33(-19.05,-40.64) P2_1(19.05,40.64) P2_2(19.05,38.1) P2_3(19.05,35.56) P2_4(19.05,33.02) P2_5(19.05,30.48) P2_6(19.05,27.94) P2_7(19.05,25.4) P2_8(19.05,22.86) P2_9(19.05,20.32) P2_10(19.05,17.78) P2_11(19.05,15.24) P2_12(19.05,12.7) P2_13(19.05,10.16) P2_14(19.05,7.62) P2_15(19.05,5.08) P2_16(19.05,2.54) P2_17(19.05,0) P2_18(19.05,-2.54) P2_19(19.05,-5.08) P2_20(19.05,-7.62) P2_21(19.05,-10.16) P2_22(19.05,-12.7) P2_23(19.05,-15.24) P2_24(19.05,-17.78) P2_25(19.05,-20.32) P2_26(19.05,-22.86) P2_27(19.05,-25.4) P2_28(19.05,-27.94) P2_29(19.05,-30.48) P2_30(19.05,-33.02) P2_31(19.05,-35.56) P2_32(19.05,-38.1) P2_33(19.05,-40.64)
  silkscreen extent -27.94,-56.13 27.94,57.66, body extent -27.94,-56.13 27.94,57.28, height 16.3
SWITCH_SPDT_SLIDER [mil] "TE Connectivity SLS121PC04 SPDT slider"
  round 100 hole 48: 1(-122.05,0) 2(0,0) 3(122.05,0)
  silkscreen extent -217,-110 217,110, body extent -216,-110 217,110, height 394
TACT-SWITCH-3-1825910-5 [mm] "Bondtact sealed TH tact switch"
  round 0.508 on Mech15: 0(0,0)
  oct 2.1x2.1 hole 0.965: 1(-3.5,-2.25) 1(3.5,-2.25) 2(-3.5,2.25) 2(3.5,2.25)
  silkscreen extent -3.4,-3.56 3.4,3.56, body extent -3.9,-2.99 3.9,3, height 8.5
"TRIMPOT ADC" [mm] "Potentiometer for ADC"
  round 2 hole 1: CCW(-2.5,-7) CW(2.5,-7) W(0,-7)
  rect 3.6x4 hole 1.8 slot 3 at 90 deg: NC(-4.4,0) NC(4.4,0)
  silkscreen extent -6.5,-8.5 6.5,6, body extent -5.7,-7.15 5.7,5.5, height 20
TRIMPOT_LCD [mm] "TRIMMER"
  round 1.5 hole 0.7: CCW(0,0) CW(0,-5.08) W(2.54,-2.54)
  silkscreen extent -1.2,-6.1 3.8,1.02, body extent -1.02,-5.89 3.48,0.81, height 8.25
TSSOP65P400X110-8N [mm] "TSSOP, 8 Leads, Body 3.1x3.1mm (max), lead span 4.0mm, Pitch 0.65mm, IPC Medium Density"
  round 0.508 on Mech15: 0(0,0)
  oval 0.95x0.396 smd paste-0.051: 1(-1.95,0.975) 2(-1.95,0.325) 3(-1.95,-0.325) 4(-1.95,-0.975) 5(1.95,-0.975) 6(1.95,-0.325) 7(1.95,0.325) 8(1.95,0.975)
  silkscreen extent -2.03,-1.52 1.14,1.78, body extent -2.05,-1.55 2.05,1.55, height 1.09
USB_TYPEB_TYCO [mm]
  round 1.626 hole 0.914: 1(14.99,-1.25) 2(14.99,1.25) 3(12.99,1.25) 4(12.99,-1.25)
  round 4 hole 2.3: MH(10.28,-6.02) MH(10.28,6.02)
  silkscreen extent 0,-7.2 17.02,7.2, body extent 0,-7.44 17,7.44, height 11
XBCON [mm] "External connector for XBee"
  round 2 hole 0.9: 1(0,11.43) 2(0,8.89) 3(0,6.35) 4(0,3.81) 5(0,1.27) 6(0,-1.27) 7(0,-3.81) 8(0,-6.35) 9(0,-8.89) 10(0,-11.43)
  silkscreen extent -1.52,-13.21 1.52,13.21, body extent -1.25,-12.95 1.25,12.95, height 8.5
"XBEE STANDARD" [mm]
  oval 2x1.3 hole 0.8: 1(-11,8.5) 2(-11,6.5) 3(-11,4.5) 4(-11,2.5) 5(-11,0.5) 6(-11,-1.5) 7(-11,-3.5) 8(-11,-5.5) 9(-11,-7.5) 10(-11,-9.5) 11(11,-9.5) 12(11,-7.5) 13(11,-5.5) 14(11,-3.5) 15(11,-1.5) 16(11,0.5) 17(11,2.5) 18(11,4.5) 19(11,6.5) 20(11,8.5)
  silkscreen extent -12.5,-11 12.5,16, body extent -12.25,-11.7 12.25,16.2, height 7.8